# KiCad board OctoCom.kicad_pcb (continued)
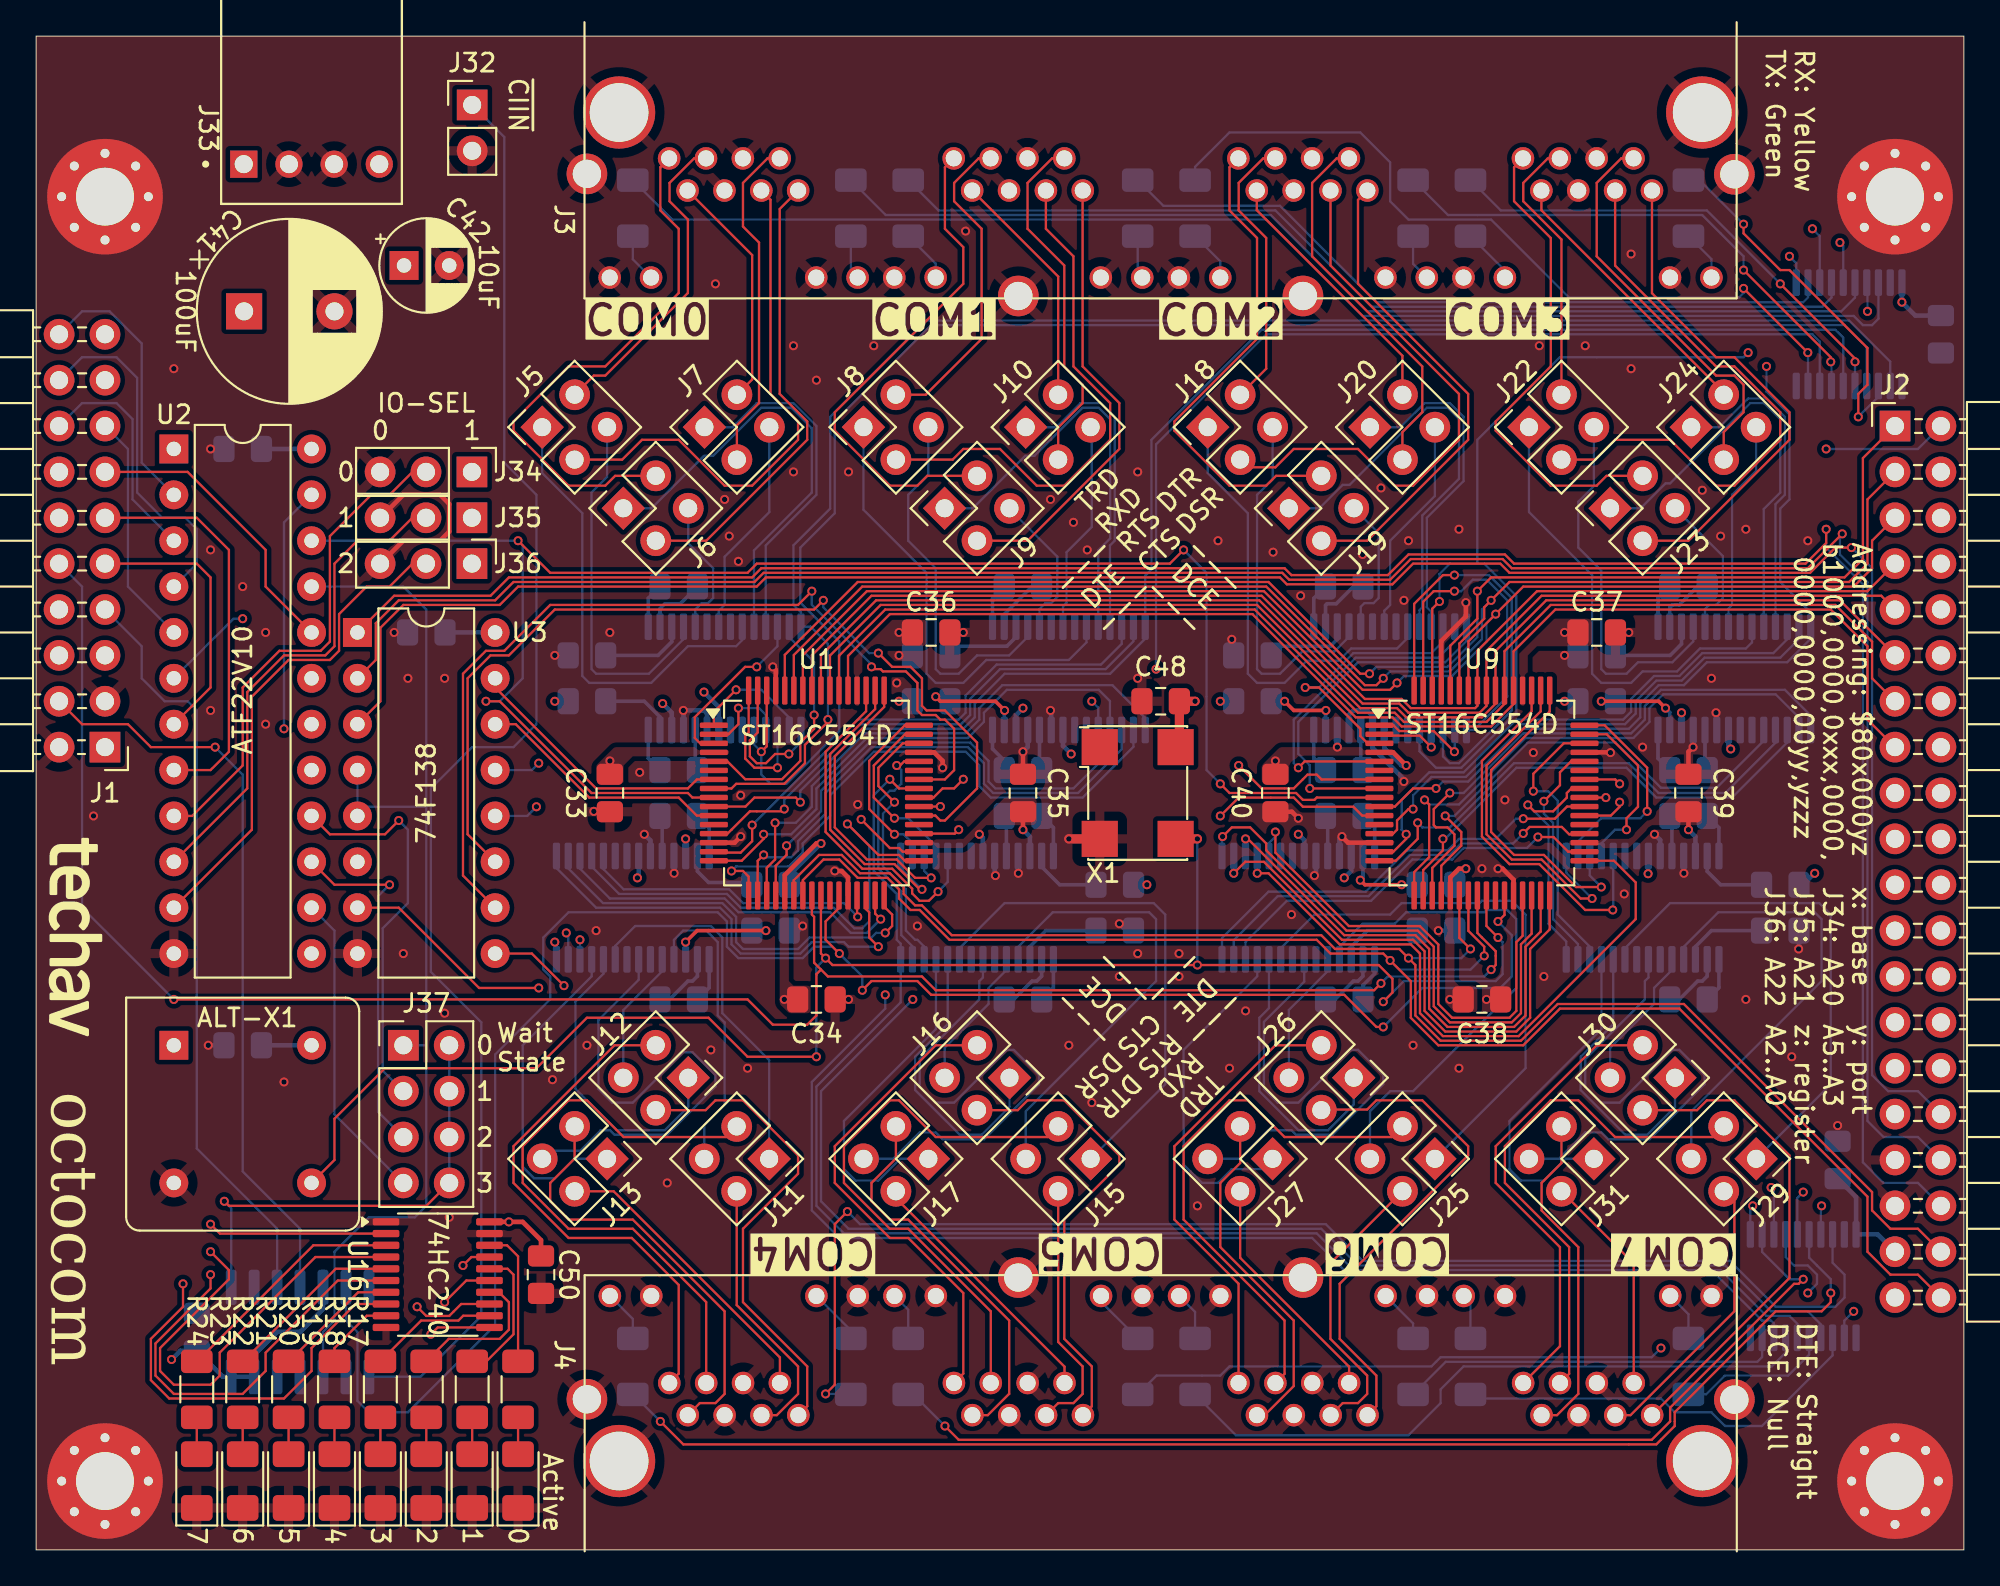
[diagram p0: board, top side]
## Routing (per net, layer and track width the routed paths; a pad name or vN(x,y) marks a point on that pad's centre or on a via; arc(x,y) is an arc through that point) (continued)
/COM3-DTR: length 15.1
  Top w0.127: v1(47.5,41.4) 46.61,42.29 46.61,43.31 47.96,44.66 U1.46
  Bottom w0.127: v1(47.5,41.4) 46.86,40.77 46.86,37.85 48.13,36.58 48.13,34.29 48.64,33.78 48.77,33.78 49.14,33.4 U7.12
/COM3-DTR232: length 19.2
  Bottom w0.127: 49.8,32.7 49.8,28.84 44.7,23.75 44.7,21.08 45.34,20.45 46.61,20.45 47.82,21.65 J17.1
/COM3-P2: length 31.1
  Top w0.127: J4.B6 52.83,13.21 48.26,17.78 47.24,17.78 44.7,20.32 44.7,22.35 47.24,24.89 47.75,24.89 49.78,22.86 55.97,22.86 J15.3
/COM3-P3: length 14.3
  Top w0.127: J15.2 56.56,11.51 57.91,10.16 57.91,8.64 57.4,8.13 56.56,8.13 J4.B3
/COM3-P4: length 14.5
  Top w0.127: J17.2 47.58,19.48 56.91,10.15 J4.B2
/COM3-P6: length 21.7
  Top w0.127: J17.3 47.58,21.67 46.23,20.32 46.23,19.3 47.24,18.29 48.26,18.29 53.85,12.7 53.85,8.64 53.84,8.64 52.66,7.46 J4.B7
/COM3-P7: length 25.8
  Top w0.127: J4.B1 58.42,7.95 58.42,10.16 56.9,11.68 56.9,18.29 59.94,21.34 59.94,21.84 56.9,24.89 54.86,24.89 54.32,24.35 J16.2
/COM3-P8: length 27.1
  Top w0.127: J16.3 49.78,27.94 44.2,22.35 44.2,20.32 47.24,17.27 48.26,17.27 51.31,14.22 51.31,9.76 J4.B8
/COM3-RI: length 17.5
  Top w0.127: v1(49.02,36.58) 48.89,36.58 47.5,37.97 45.85,37.97 43.94,39.88 43.94,44.07 46.43,46.56 U1.50
  Bottom w0.127: U7.15 47.84,37.75 v1(49.02,36.58)
/COM3-RTS: length 13.6
  Top w0.127: U1.44 48.03,43.66 47.81,43.43 v1(47.62,43.43)
  Bottom w0.127: U7.13 48.49,33.42 47.88,34.04 47.88,36.45 46.61,37.72 46.61,41.4 47.24,42.04 47.5,42.04 47.88,42.42 47.88,43.18 v1(47.62,43.43)
/COM3-RTS232: length 16.5
  Bottom w0.127: U7.10 50.44,29.11 48.64,27.3 48.64,25.46 51.12,22.99 52.32,22.99 53.87,24.53 J16.1
/COM3-RX: length 96.3
  Top w0.127: v1(49.91,36.45) 49.4,35.94 48.89,35.94 48.48,36.35 48.48,36.61 47.37,37.72 45.72,37.72 43.69,39.75 43.69,44.2 45.93,46.44 U1.51
  In1.Cu w0.127: v1(46.99,30.73) 46.99,31.24 49.91,34.16 v1(49.91,36.45)
  Bottom w0.127: U15.8 96.16,12.55 96.01,12.7 95.5,12.7 92.96,15.24 72.64,15.24 70.61,17.27 44.45,17.27 42.93,18.8 42.93,25.91 46.99,29.97 v1(46.99,30.73) ; v1(49.91,36.45) 50.44,36.98 U7.19
/COM3-RX232: length 25.5
  Bottom w0.127: J15.4 54.76,24.28 61.98,31.5 61.98,34.92 61.59,35.31 56.26,35.31 54.34,33.39 U7.4
/COM3-RX-lED: length 2.7
  Bottom w0.127: J4.B12 48.26,13.3 R8.2
/COM3-RX-LED-R: length 58.6
  Top w0.127: v1(50.29,6.86) 51.05,6.1 89.41,6.1 90.42,7.11 90.42,7.87 97.28,14.73 97.54,14.73 v1(97.79,14.99)
  Bottom w0.127: v1(50.29,6.86) 48.54,8.61 R8.1 ; v1(97.79,14.99) 97.03,14.99 95.51,16.5 U15.12
/COM3-TX: length 86.1
  Top w0.127: U1.41 47.76,42.16 v1(47.24,42.67)
  Bottom w0.127: v1(47.24,42.67) 46.35,41.78 46.35,37.59 47.62,36.32 47.62,33.78 47.84,33.56 U7.14 47.84,30.32 43.18,25.65 43.18,19.05 44.7,17.53 70.87,17.53 72.9,15.49 93.22,15.49 95.76,12.95 97.03,12.95 97.47,12.52 U15.6
/COM3-TX232: length 28.5
  Bottom w0.127: U7.9 51.09,33.31 53.59,35.81 61.85,35.81 62.48,35.18 62.48,25.78 J15.1
/COM3-TX-LED: length 3.2
  Bottom w0.127: J4.B10 58.93,13.74 R7.2
/COM3-TX-LED-R: length 44
  In1.Cu w0.127: v1(89.92,11.18) 94.49,11.18 97.54,14.22 v1(98.04,14.22)
  Bottom w0.127: R7.1 62,9.65 65.53,9.65 66.04,10.16 77.22,10.16 77.72,10.67 89.41,10.67 v1(89.92,11.18) ; v1(98.04,14.22) 98.55,14.73 98.55,15.24 98.04,15.75 97.28,15.75 96.81,16.21 U15.14
/COM3-V+: length 4
  Bottom w0.2: C14.1 56.64,36.83 55.64,37.83 U7.27
/COM3-V-: length 4.7
  Bottom w0.2: C16.1 55.88,34.29 54.99,33.4 U7.3
/COM4-C1+: length 2.5
  Bottom w0.2: 70.7,45.4 70.7,43.83 C17.1
/COM4-C1-: length 2.3
  Bottom w0.2: U8.24 73.31,43.3 C17.2
/COM4-C2+: length 2.5
  Bottom w0.2: 70.7,51.12 70.7,52.69 C19.1
/COM4-C2-: length 3.7
  Bottom w0.2: C19.2 72.9,53.34 71.95,52.39 71.44,52.39 71.35,52.3 U8.2
/COM4-CS-LED: length 2
  Top w0.127: D5.2 R21.2
/COM4-CS-LED-R: length 4.3
  Top w0.127: R21.1 16.51,11.18 18.3,12.96 U16.9
/COM4-CTS: length 4.1
  Top w0.127: v1(77.2,44.45) 76.57,45.08 74.41,45.08 74.34,45.16
  Bottom w0.127: v1(77.2,44.45) 77.2,45.4
/COM4-CTS232: length 7.8
  Bottom w0.127: U8.5 73.31,52.22 73.51,52.42 74.01,52.42 74.29,52.7 74.29,56.3 J19.4
/COM4-DCD: length 24.2
  Top w0.127: v1(78.49,53.97) 77.85,53.97 76.26,52.38 U9.64
  Bottom w0.127: U8.17 77.85,43.94 78.23,43.56 78.74,43.56 81.66,46.48 81.66,52.7 80.39,53.97 v1(78.49,53.97)
/COM4-DSR: length 6
  Top w0.127: v1(78.49,44.2) 77.34,45.34 75.44,45.34 75.12,45.66 74.34,45.66
  Bottom w0.127: v1(78.49,44.2) 78.5,44.21 U8.16
/COM4-DSR232: length 12.2
  Bottom w0.127: 74.6,51.12 74.6,52 74.93,52.32 74.93,55.88 77.41,58.36 J20.4
/COM4-DTR: length 15.1
  Top w0.127: 74.34,44.66 73.68,44.66 73.28,45.06 73.28,45.47 70.99,47.75 v1(70.23,47.75)
  Bottom w0.127: v1(70.23,47.75) 70.99,47.75 72.9,49.66 77.22,49.66 77.85,50.3 U8.12
/COM4-DTR232: length 18.6
  Bottom w0.127: 77.2,51.12 77.2,51.95 76.96,52.2 76.96,57.15 78.99,59.18 78.99,62.74 78.23,63.5 76.84,63.5 75.5,62.17 J20.1
/COM4-P2: length 31.3
  Top w0.127: J3.B6 71.63,71.12 78.74,64.01 78.74,61.47 76.2,58.93 75.18,58.93 73.15,60.96 69.6,60.96 68.58,59.94 67.06,59.94 J18.3
/COM4-P3: length 15.5
  Top w0.127: J3.B3 67.91,77.05 66.55,75.69 66.55,74.17 68.07,72.64 68.07,65.4 J18.2
/COM4-P4: length 14.6
  Top w0.127: J20.2 75.61,66.12 67.55,74.18 J3.B2
/COM4-P6: length 20.9
  Top w0.127: J20.3 75.61,61.89 76.71,62.99 76.71,65.53 70.61,71.63 70.61,75.69 71.97,77.05 J3.B7
/COM4-P7: length 27.4
  Top w0.127: J3.B1 66.04,76.56 66.04,74.17 67.56,72.64 67.56,67.06 62.99,62.48 62.99,61.98 66.04,58.93 68.07,58.93 68.62,59.47 J19.2
/COM4-P8: length 27
  Top w0.127: J3.B8 73.15,74.75 73.15,70.1 79.25,64.01 79.25,61.47 73.66,55.88 J19.3
/COM4-RI: length 18.9
  Top w0.127: v1(78.49,53.09) 77.34,53.09 76.76,52.5 U9.63
  Bottom w0.127: U8.15 79.56,45.4 81.41,47.24 81.41,52.58 80.26,53.72 79.5,53.72 78.87,53.09 v1(78.49,53.09)
/COM4-RTS: length 18.9
  Top w0.127: 74.34,43.66 70.2,43.66 v1(69.85,43.31)
  Bottom w0.127: U8.13 78.5,50.31 77.6,49.4 73.03,49.4 69.6,45.97 69.6,43.56 v1(69.85,43.31)
/COM4-RTS232: length 24.4
  Bottom w0.127: U8.10 76.56,52.04 76.71,52.2 76.71,57.28 78.74,59.31 78.74,62.61 78.1,63.25 76.96,63.25 72.69,58.97 72.31,58.97 71.01,57.68 J19.1
/COM4-RX: length 62.7
  Top w0.127: U9.62 77.26,52.11 v1(77.66,52.51)
  In1.Cu w0.127: v1(98.3,73.15) 96.77,73.15 95.25,71.63 95.25,66.8 v1(94.74,66.29)
  Bottom w0.127: 79.76,54.61 79.76,61.47 84.33,66.04 94.49,66.04 v1(94.74,66.29) ; 79.76,54.61 78.23,54.61 77.66,54.04 v1(77.66,52.51) ; 79.76,54.61 80.14,54.61 81.91,52.83 81.91,46.35 78.87,43.31 77.47,43.31 76.56,44.22 U8.19 ; U12.13 98.7,72.74 v1(98.3,73.15)
/COM4-RX232: length 20.4
  Bottom w0.127: U8.4 72.66,50.56 71.85,49.75 70.07,49.75 68.83,48.51 67.82,48.51 67.56,48.77 67.56,58.42 68.43,59.28 J18.4
/COM4-RX-lED: length 2.6
  Bottom w0.127: R10.2 76.2,71.21 J3.B12
/COM4-RX-LED-R: length 29.2
  Top w0.127: v1(94.49,70.87) 99.31,66.04 v1(99.31,65.79)
  Bottom w0.127: R10.1 78.13,73.91 92.2,73.91 94.49,71.63 v1(94.49,70.87) ; U12.7 99.35,65.74 v1(99.31,65.79)
/COM4-TX: length 71.5
  Top w0.127: v1(70.48,42.16) 74.34,42.16
  In1.Cu w0.127: v1(97.03,71.63) 97.28,71.37 97.28,67.56 97.03,67.31 97.03,64.77 100.33,61.47 100.33,60.45 98.81,58.93 98.04,58.93 88.14,49.02 85.6,49.02 84.07,47.5 77.72,47.5 72.39,42.16 v1(70.48,42.16)
  Bottom w0.127: v1(70.48,42.16) 70.48,43.44 69.85,44.08 69.85,45.85 73.15,49.15 77.98,49.15 79.16,50.33 U8.14 ; v1(97.03,71.63) 97.41,71.25 U12.11
/COM4-TX232: length 25.3
  Bottom w0.127: U8.9 75.91,50.5 75.31,49.91 72.77,49.91 72.1,49.24 70.32,49.24 69.09,48.01 67.56,48.01 67.06,48.51 67.06,57.4 64.83,59.63 J18.1
/COM4-TX-LED: length 2.9
  Bottom w0.127: R9.2 65.53,71.35 J3.B10
/COM4-TX-LED-R: length 44.2
  Top w0.127: v1(98.04,66.29) v1(94.49,69.85)
  Bottom w0.127: v1(98.04,66.29) 98.06,66.28 98.06,64.45 ; v1(94.49,69.85) 94.49,69.6 94.23,69.34 84.84,69.34 80.52,73.66 75.95,73.66 74.93,74.68 74.93,76.83 73.28,78.49 66.04,78.49 64.13,76.58 R9.1
/COM4-V+: length 4.3
  Top w0.2: v1(71.37,46.48) 69.6,46.48 v1(69.09,46.99)
  Bottom w0.2: U8.27 71.35,46.46 v1(71.37,46.48) ; v1(69.09,46.99) C18.1
/COM4-V-: length 4.7
  Bottom w0.2: C20.1 68.86,50.04 71.63,50.04 72,50.41 U8.3
/COM5-C1+: length 2.5
  Bottom w0.2: U10.28 89.75,43.83 C21.1
/COM5-C1-: length 2.3
  Bottom w0.2: U10.24 92.35,43.3 C21.2
/COM5-C2+: length 2.5
  Bottom w0.2: C23.1 89.75,52.69 U10.1
/COM5-C2-: length 3.6
  Bottom w0.2: U10.2 90.41,52.18 90.55,52.32 90.93,52.32 91.95,53.34 C23.2
/COM5-CS-LED: length 2
  Top w0.127: D6.2 R22.2
/COM5-CS-LED-R: length 7
  Top w0.127: U16.7 17.82,14.27 14,10.44 R22.1
/COM5-CTS: length 27.4
  Top w0.127: v1(76.45,40.26) 76.45,39.37 75.24,38.16 74.34,38.16
  Bottom w0.127: U10.18 96.25,44.69 93.47,41.91 89.79,41.91 88.14,43.56 81.79,43.56 78.23,40 76.71,40 v1(76.45,40.26)
/COM5-CTS232: length 8.3
  Bottom w0.127: U10.5 92.35,52.1 92.58,52.32 92.96,52.32 93.34,52.7 93.34,55.03 J23.4
/COM5-DCD: length 26.9
  Top w0.127: U9.18 76.76,37.64 77.85,38.73 v1(77.85,39.37)
  Bottom w0.127: U10.17 96.91,44.71 93.85,41.66 89.66,41.66 88.01,43.31 81.91,43.31 77.98,39.37 v1(77.85,39.37)
/COM5-DSR: length 30.8
  Top w0.127: U9.17 76.26,37.52 77.09,38.35 77.09,41.27 v1(76.84,41.53)
  Bottom w0.127: v1(76.84,41.53) 77.09,41.27 78.74,41.27 82.42,44.96 88.39,44.96 89.28,45.85 89.28,46.61 90.04,47.37 96.27,47.37 97.56,46.08 97.56,45.4
/COM5-DSR232: length 11.7
  Bottom w0.127: U10.7 93.66,52.13 93.85,52.32 93.85,58.42 95.19,59.75 J24.4
/COM5-DTR: length 30.2
  Top w0.127: 74.34,38.66 75.11,38.66 75.82,39.37 v1(75.82,39.62)
  Bottom w0.127: U10.12 96.91,50.42 96.14,49.66 92.2,49.66 90.93,48.39 89.53,48.39 88.26,47.12 88.26,46.42 87.82,45.97 81.91,45.97 78.99,43.05 77.09,43.05 75.56,41.53 75.56,39.88 v1(75.82,39.62)
/COM5-DTR232: length 18.1
  Bottom w0.127: U10.11 96.25,57.9 96.77,58.42 96.77,62.74 95.76,63.75 94.74,63.75 93.15,62.17 J24.1
/COM5-P2: length 32.9
  Top w0.127: J22.3 86.28,60.37 87.38,61.47 90.42,61.47 92.96,58.93 93.98,58.93 96.52,61.47 96.52,62.99 93.98,65.53 92.96,65.53 87.38,71.12 J3.A6
/COM5-P3: length 15.2
  Top w0.127: J22.2 84.41,72.56 82.3,74.68 82.3,75.69 83.65,77.05 J3.A3
/COM5-P4: length 15.5
  Top w0.127: J3.A2 83.3,74.18 93.39,64.09 J24.2
/COM5-P6: length 22.3
  Top w0.127: J24.3 93.39,61.89 94.49,62.99 94.49,64.52 93.98,65.02 92.96,65.02 86.36,71.63 86.36,75.69 87.72,77.05 J3.A7
/COM5-P7: length 27
  Top w0.127: J23.2 86.9,59.47 86.36,58.93 83.82,58.93 80.77,61.98 80.77,62.48 83.82,65.53 83.82,72.64 81.79,74.68 81.79,76.56 J3.A1
/COM5-P8: length 28
  Top w0.127: J23.3 91.44,55.88 97.03,61.47 97.03,62.99 93.98,66.04 92.96,66.04 89.42,69.58 J3.A8
/COM5-RI: length 31.6
  Top w0.127: U9.19 77.26,37.76 78.49,38.99 78.49,39.62 78.1,40 77.47,40 77.34,40.13 77.34,41.02 v1(78.23,41.91)
  Bottom w0.127: U10.15 98.2,46.19 96.77,47.62 89.92,47.62 89.03,46.74 89.03,45.97 88.26,45.21 82.3,45.21 78.99,41.91 v1(78.23,41.91)
/COM5-RTS: length 29.5
  Top w0.127: 74.34,39.66 75.09,39.66 75.31,39.88 75.31,40.39 75.95,41.02 v1(76.2,41.02)
  Bottom w0.127: 97.56,51.12 97.56,50.44 96.52,49.4 92.33,49.4 91.06,48.13 89.66,48.13 88.52,46.99 88.52,46.31 87.93,45.72 82.04,45.72 79.12,42.8 77.22,42.8 76.2,41.78 v1(76.2,41.02)
/COM5-RTS232: length 24.1
  Bottom w0.127: U10.10 95.6,57.63 96.52,58.55 96.52,62.61 95.63,63.5 94.87,63.5 90.42,59.05 90.17,59.05 88.79,57.68 J23.1
/COM5-RX: length 68.9
  Top w0.127: v1(77.98,40.64) 78.87,39.75 78.87,38.99 77.76,37.88 U9.20
  In1.Cu w0.127: v1(101.35,68.58) 101.6,68.33 101.6,60.45 87.38,46.23 86.36,46.23 83.31,43.18 81.79,43.18 79.25,40.64 v1(77.98,40.64)
  Bottom w0.127: U10.19 95.6,44.8 93,42.2 89.92,42.2 87.41,44.7 82.55,44.7 78.49,40.64 v1(77.98,40.64) ; U12.17 101.35,70.13 v1(101.35,68.58)
/COM5-RX232: length 21
  Bottom w0.127: J22.4 86.21,58.9 85.34,58.04 85.34,55.5 86.61,54.23 86.61,48.77 86.87,48.51 88.01,48.51 88.65,49.15 90.55,49.15 91.7,50.3 U10.4
/COM5-RX-lED: length 2.8
  Bottom w0.127: J3.A12 92.71,71.47 R12.2
/COM5-RX-LED-R: length 20.2
  Top w0.127: v1(100.84,62.74) 100.84,64.01 101.35,64.52 101.35,66.55 97.03,70.87 96.52,70.87 94.49,72.9 v1(94.49,73.41)
  Bottom w0.127: v1(94.49,73.41) 92.05,75.85 R12.1 ; U12.3 101.95,63.85 v1(100.84,62.74)
/COM5-TX: length 57.3
  Top w0.127: 74.34,41.16 75.2,41.16 76.2,42.16 v1(77.47,42.16)
  In1.Cu w0.127: v1(95.76,65.53) 95.76,71.37 96.77,72.39 v1(99.82,72.39)
  Bottom w0.127: v1(95.76,65.53) 95.76,64.13 97.03,62.86 97.03,58.17 96.52,57.66 96.52,53.59 98.2,51.91 U10.14 98.2,50.45 96.9,49.15 92.46,49.15 91.19,47.88 89.79,47.88 88.77,46.86 88.77,46.1 88.14,45.47 82.17,45.47 79.25,42.54 77.85,42.54 v1(77.47,42.16) ; U12.15 100,72.21 v1(99.82,72.39)
/COM5-TX232: length 26
  Bottom w0.127: J22.1 82.61,57.47 86.11,53.97 86.11,48.51 86.61,48.01 88.26,48.01 88.9,48.64 90.81,48.64 92.07,49.91 94.62,49.91 94.95,50.25 U10.9
/COM5-TX-LED: length 3.1
  Bottom w0.127: R11.2 81.28,70.84 J3.A10
/COM5-TX-LED-R: length 26.9
  Top w0.127: v1(100.66,65.79) 100.66,65.97 v1(96.52,70.1)
  Bottom w0.127: v1(100.66,65.79) 100.66,64.45 ; v1(96.52,70.1) 92.46,74.17 81.05,74.17 R11.1
/COM5-V+: length 5.8
  Top w0.2: v1(86.61,46.99) 89.79,46.99 v1(90.17,46.61)
  Bottom w0.2: v1(90.17,46.61) 90.41,46.37 U10.27 ; C22.1 v1(86.61,46.99)
/COM5-V-: length 4.9
  Bottom w0.2: 91.06,51.12 91.06,50.16 90.42,49.53 C24.1
/COM6-C1+: length 2.5
  Bottom w0.2: U11.28 74.07,39.99 C25.1
/COM6-C1-: length 2.3
  Bottom w0.2: C25.2 71.47,40.52 U11.24
/COM6-C2+: length 2.5
  Bottom w0.2: U11.1 74.07,31.91 73.43,31.26 C27.1
/COM6-C2-: length 3.5
  Bottom w0.2: C27.2 71.88,30.48 72.9,31.5 73.15,31.5 73.42,31.77 U11.2
/COM6-CS-LED: length 2
  Top w0.127: D7.2 R23.2
/COM6-CS-LED-R: length 10.1
  Top w0.127: U16.5 16.58,15.56 11.46,10.44 R23.1
/COM6-CTS: length 35.6
  Top w0.127: U9.33 87.32,38.16 88.52,36.96 88.52,34.92 82.04,28.45 77.85,28.45 76.58,29.72 76.58,33.02 76.07,33.53 72.14,33.53 68.2,37.46 v1(67.57,37.46)
  Bottom w0.127: v1(67.57,37.46) U11.18
/COM6-CTS232: length 7.4
  Bottom w0.127: U11.5 71.47,32.04 69.32,29.89 J26.4
/COM6-DCD: length 29.9
  Top w0.127: v1(66.93,39.37) 67.06,39.37 72.39,34.04 76.33,34.04 77.09,33.27 77.09,29.97 78.1,28.96 81.79,28.96 82.42,29.59 82.42,33.4 83.26,34.24 U9.31
  Bottom w0.127: U11.17 66.92,39.37 v1(66.93,39.37)
/COM6-DSR: length 31
  Top w0.127: v1(66.28,37.46) 66.91,38.1 67.94,38.1 72.26,33.78 76.2,33.78 76.84,33.15 76.84,29.84 77.98,28.7 81.91,28.7 82.68,29.46 82.68,33.27 83.76,34.36 U9.32
  Bottom w0.127: v1(66.28,37.46) U11.16
/COM6-DSR232: length 28.9
  Bottom w0.127: U11.7 70.17,31.46 67.94,29.23 67.94,25.53 68.71,24.77 69.85,24.77 72.77,27.69 73.15,27.69 74.55,26.29 74.55,25.78 71.75,22.99 69.72,22.99 69.47,23.24 68.2,23.24 66.61,21.65 J27.4
/COM6-DTR: length 22.5
  Top w0.127: v1(83.11,39.47) 83.97,39.47 84.78,38.66 U9.34
  Bottom w0.127: v1(83.11,39.47) 82.5,38.86 78.99,38.86 78.36,38.23 76.16,38.23 73.88,35.94 69.22,35.94 66.92,33.65 U11.12
/COM6-DTR232: length 18.9
  Bottom w0.127: J27.1 67.85,21.08 66.17,21.08 65.41,20.32 64.52,20.32 63.5,21.34 63.5,27.69 67.57,31.76 U11.11
/COM6-P2: length 29.9
  Top w0.127: J4.C6 69.09,9.75 69.09,12.7 63.5,18.29 63.5,22.35 66.04,24.89 67.06,24.89 69.09,22.86 75.02,22.86 J25.3
/COM6-P3: length 16.2
  Top w0.127: J25.2 71.63,15.88 71.63,11.68 73.66,9.65 73.66,8.64 73.15,8.13 72.31,8.13 J4.C3
/COM6-P4: length 13.1
  Top w0.127: J4.C2 72.66,10.14 66.63,16.17 J27.2
/COM6-P6: length 19.2
  Top w0.127: J27.3 66.63,21.42 65.53,20.32 65.53,16.76 69.6,12.7 69.6,9.07 67.99,7.46 J4.C7
/COM6-P7: length 28.3
  Top w0.127: J26.2 71.16,24.38 73.66,24.38 74.17,24.89 76.71,24.89 79.25,22.35 79.25,21.84 72.14,14.73 72.14,11.68 74.17,9.65 74.17,7.95 J4.C1
/COM6-P8: length 25
  Top w0.127: J4.C8 66.54,14.74 62.99,18.29 62.99,22.35 68.58,27.94 J26.3
/COM6-RI: length 31.4
  Top w0.127: v1(65.66,39.5) 66.17,40 67.18,40 68.07,39.12 68.07,38.73 72.52,34.29 76.45,34.29 77.34,33.4 77.34,30.1 78.23,29.21 81.66,29.21 82.17,29.72 82.17,33.53 82.76,34.12 U9.30
  Bottom w0.127: U11.15 65.62,39.46 v1(65.66,39.5)
/COM6-RTS: length 23.3
  Top w0.127: U9.36 85.65,39.62 84.84,39.62 84.43,40.03 82.65,40.03 v1(82.3,39.67)
  Bottom w0.127: U11.13 66.28,33.76 68.71,36.19 73.74,36.19 76.02,38.48 78.23,38.48 78.87,39.12 81.74,39.12 v1(82.3,39.67)
/COM6-RTS232: length 15.7
  Bottom w0.127: U11.10 68.22,30 67.69,29.46 67.69,25.4 69.85,23.24 71.5,23.24 72.92,24.66 J26.1
/COM6-RX: length 85.7
  Top w0.127: U9.29 82.26,34 81.91,33.65 81.91,29.84 81.53,29.46 78.36,29.46 77.6,30.23 77.6,33.52 76.57,34.54 72.64,34.54 68.58,38.61 v1(68.58,39.75)
  In1.Cu w0.127: v1(96.01,20.07) 98.55,22.61 98.55,35.05 90.42,43.18 87.38,43.18 86.11,41.91 86.11,40.39 82.3,36.58 77.22,36.58 75.18,38.61 69.09,38.61 68.58,39.12 v1(68.58,39.75)
  Bottom w0.127: U15.13 96.16,19.91 v1(96.01,20.07) ; U11.19 68.22,39.14 68.58,39.5 v1(68.58,39.75)
/COM6-RX232: length 28.9
  Bottom w0.127: J25.4 73.81,24.28 74.93,25.4 76.2,25.4 81.91,31.11 81.91,34.92 81.41,35.43 80.26,35.43 80.14,35.31 75.82,35.31 75.18,34.67 73.41,34.67 72.12,33.39 U11.4
/COM6-RX-lED: length 2.7
  Bottom w0.127: R14.2 64.13,13.17 J4.C12
/COM6-RX-LED-R: length 36.8
  Bottom w0.127: R14.1 66.39,6.35 75.95,6.35 77.72,8.13 77.72,8.89 78.99,10.16 96.05,10.16 96.81,10.92 U15.7
/COM6-TX: length 65.4
  Top w0.127: U9.39 84.72,41.16 84.05,40.49 v1(82.3,40.49)
  In1.Cu w0.127: v1(82.3,40.49) 84.18,40.49 87.12,43.43 90.68,43.43 98.81,35.31 98.81,21.84 96.01,19.05 v1(95,19.05)
  Bottom w0.127: v1(82.3,40.49) 81.89,40.49 80.77,39.37 78.74,39.37 78.1,38.73 75.87,38.73 73.58,36.45 68.2,36.45 65.62,33.88 U11.14 ; v1(95,19.05) 94.87,18.92 U15.11
/COM6-TX232: length 31.2
  Bottom w0.127: J25.1 82.42,26.67 82.42,35.18 81.66,35.94 80.01,35.94 79.88,35.81 75.56,35.81 74.93,35.18 70.74,35.18 68.88,33.31 U11.9
/COM6-TX-LED: length 3
  Bottom w0.127: J4.C10 76.2,12.54 R13.2
/COM6-TX-LED-R: length 21.2
  Bottom w0.127: R13.1 78,10.41 95.25,10.41 95.51,10.68 U15.9
/COM6-V+: length 4.7
  Top w0.2: v1(75.56,36.83) 73.53,36.83 v1(73.28,37.08)
  Bottom w0.2: C26.1 v1(75.56,36.83) ; v1(73.28,37.08) 73.42,37.23 U11.27
/COM6-V-: length 4.7
  Bottom w0.2: U11.3 72.78,33.4 73.66,34.29 C28.1